# KiCad board IO-SDR_Rev_1.0.kicad_pcb (continued)
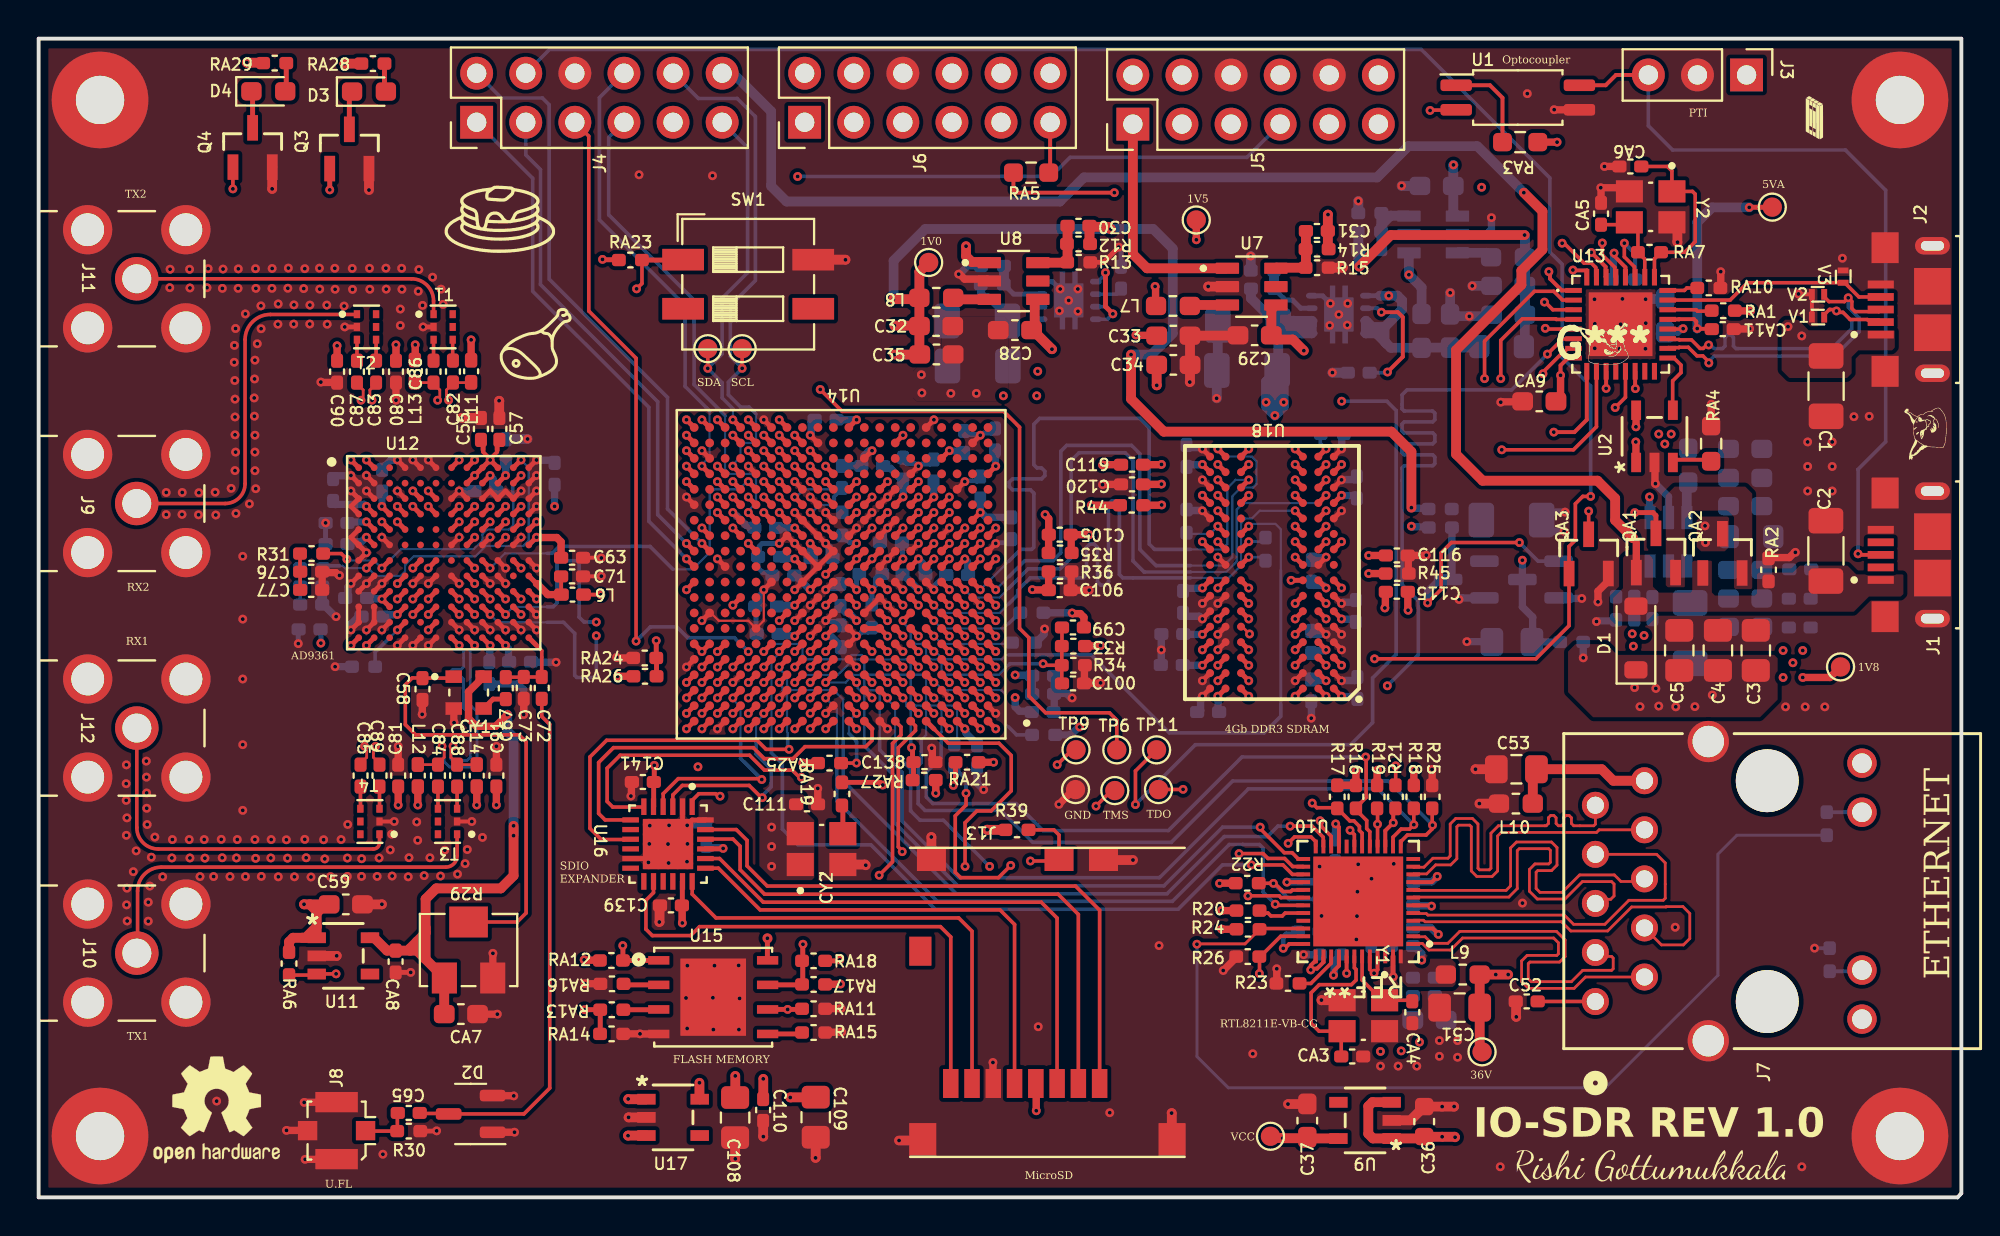
[diagram p0: board, top side]
## Routing (per net, layer and track width the routed paths; a pad name or vN(x,y) marks a point on that pad's centre or on a via; arc(x,y) is an arc through that point) (continued)
  Top.Cu w0.381: C90.2 15.42,42.19 14.61,42.19 v1(14.6,42.2) ; C100.2 54.1,26.63 ; 54.1,26.63 54.1,27.52 R34.2 ; 54.1,26.63 54.11,26.62 54.92,26.62 v1(54.93,26.63) ; J8.2 15.4,1.97 v1(13.79,1.97) ; R45.2 70.85,32.32 70.85,33.2 C116.2 71.77,33.23 v1(71.78,33.24) ; 53.64,21.11 53.54,21.11 v1(52.78,20.34) ; v1(30.64,20.77) 30.66,20.8 30.66,21.48 C141.2 ; v1(24.58,5.25) 24.57,5.26 23.49,5.26 D2.2 ; v1(15.56,32.19) 15.52,32.19 15.37,32.34 14.71,32.34 C76.1 C77.1 ; v1(25.09,24.99) 25.09,25 C73.2 ; J13.6 49.37,5.91 v1(49.37,6.98) ; v1(80.66,30.82) 80.66,31.38 81.2,31.91 QA3.2 ; 64.05,11.14 v1(64.05,11.83) ; 64.05,11.14 64.05,11.09 R23.1 ; 64.05,11.14 64.03,11.12 ; v1(41.51,9.78) 41.5,9.77 40.69,9.77 RA11.2 ; D2.1 23.48,3.37 24.62,3.37 v1(24.62,3.37) ; v1(47.59,47.79) 47.64,47.79 47.9,47.53 49.08,47.53 U8.2 ; C106.2 53.41,31.45 53.41,32.37 R36.2 ; C91.2 v1(23.68,23.35) ; RA4.2 86.52,39.93 86.52,41.05 v1(86.53,41.06) ; v1(21.49,24.57) 21.48,24.58 21.48,25.3 CY1.2 ; 53.39,31.43 v1(54.34,31.43) ; 19.85,25.74 19.85,25.73 19.85,25.01 v1(19.84,25) ; CA9.1 76.74,41.18 75.66,41.18 v1(75.63,41.16) ; R25.1 72.09,22.14 v1(72.08,22.15) ; v1(88.51,44.96) 88.5,44.95 87.69,44.95 CA11.1 ; RA15.2 40.7,8.55 41.53,8.55 v1(41.54,8.56) ; Y2.2 82.1,52.26 v1(80.81,52.26) 80.82,52.25 CA5.2 ; C138.2 46.35,22.53 46.23,22.65 46.23,23.22 v1(46.2,23.25) ; v1(40.3,21.17) 40.3,20.35 C111.2 ; v1(90.87,33.39) 90.83,33.39 90.56,33.12 89.49,33.12 ; U2.2 83.64,37.99 83.61,37.97 83.61,36.97 v1(83.64,36.94) ; C120.2 55.05,36.91 v1(55.03,36.89) ; R29.3 23.5,11.36 v1(23.5,12.63) ; U1.3 78.4,56.3 v1(78.4,56.3) ; RA10.2 87.01,47.09 v1(87.01,47.92) ; v1(13.73,4.92) 13.74,4.92 15.4,4.92 15.41,4.93 ; RA16.2 29.05,11.06 28.27,11.06 v1(28.27,11.06) ; RA14.2 v1(31.11,8.46) 31.11,8.46 32.08,8.46 U15.4 ; v1(29.9,27.95) 29.93,27.92 RA24.1 ; CA7.2 22.71,9.49 23.73,9.49 v1(23.73,9.48) ; R26.1 61.95,12.41 v1(61.28,11.74) ; v1(81,53.36) CA6.2 ; v1(18.48,41.26) C80.2 ; C81.2 v1(18.6,23.35) ; v1(12.82,3.47) 13.9,3.47 J8.2
  Top.Cu w0.508: v1(73.22,4.7) 73.22,4.7 v1(72.6,4.7) C36.2 70.97,3.99 69.99,3.99 ; C108.2 36.03,2 v1(36.04,1.99) ; v1(17.76,15.17) 17.75,15.17 C59.2 ; v1(64.63,4.83) 65.62,4.83 C37.2 ; v1(66.36,10.21) 66.37,10.2 Y1.2 ; v1(30.52,4.14) 30.52,4.14 U17.2 ; v1(42.79,17.19) 42.75,17.23 CY2.2 ; v1(60.5,47.15) 60.51,47.14 61.49,47.14 ; C55.2 22.87,40.35 v1(21.89,40.35) ; v1(12.08,52.2) 12.08,52.21 12.08,53.33 Q4.2 ; v1(23.82,41.24) 23.83,41.23 23.83,40.35 C57.2 ; v1(32.11,14.25) 32.12,14.26 32.12,15.09 C139.2 ; v1(46.18,18.65) 46.18,18.65 J13.S4 ; v1(59.55,42.2) 59.56,42.22 C34.2 C33.2 62.02,44.6 C29.2 ; R15.2 67.46,48.12 v1(67.47,48.13) ; v1(74.53,20.38) L10.1 ; v1(56.61,17.46) 55.09,17.46 J13.S3 ; U11.2 15.41,12.5 v1(15.42,12.5) ; v1(58.61,4.36) 58.62,4.35 58.62,3.01 J13.S1 ; C110.2 37.48,3.15 v1(37.49,3.14) ; v1(44.51,2.94) 45.68,2.94 J13.S2 ; v1(41.74,48.53) 41.73,48.54 40.07,48.54 SW1.4 ; C109.2 40.2,2.05 v1(40.19,2.04) ; v1(74.33,22.16) 74.33,22.16 C53.1 ; Y2.4 84.77,50.19 84.77,49.45 v1(84.78,49.44) ; 68.5,7.27 CA3.2 ; v1(17.09,52.14) Q3.2 ; C52.1 76.43,10.13 76.43,9.35 v1(76.44,9.34)
  Bottom.Cu w0.203: C27.2 60.95,42.85 61.18,43.08 ; 48.54,22.26 C123.2 ; v1(91.87,12.9) R27.2 ; v1(48.89,21.1) 48.88,21.1
  Bottom.Cu w0.254: C107.2 37.8,32.35 37.45,32.35 37.2,32.6 37.2,33.14 C95.2 37.28,33.16 ; C127.2 49.47,39.74 49.29,39.56 48.87,39.56 48.77,39.45 v1(48.71,39.45) 48.67,39.49 48.05,39.49 C117.2 ; C125.2 48.71,37.27 48.53,37.09 47.95,37.09 v1(47.91,37.05) ; C97.2 41.47,31.69 41.29,31.51 40.82,31.51 40.77,31.45 v1(40.71,31.45) ; v1(37.51,31.45) 37.51,31.4 37.31,31.19 37.31,30.78 37.13,30.59 C94.2 37.11,30.56 37.11,29.21 C102.2 ; v1(43.91,34.65) 43.91,34.6 43.76,34.45 43.76,34.08 43.58,33.9 C96.2 ; v1(66.82,46.27) 66.81,46.27 66.42,46.67 65.87,46.67 U5.4 ; C70.2 13.43,29.38 v1(13.43,28.66) ; C98.2 41.5,29.63 41.42,29.71 ; U6.4 51.89,47.4 52.44,47.4 52.82,47.02 v1(52.84,47.02) ; 41.42,29.71 41.31,29.81 40.75,29.81 v1(40.71,29.85) 40.75,29.89 ; 41.42,29.71 41.39,29.69 ; C129.2 46.89,32.22 46.35,31.68 46.35,31.49 v1(46.31,31.45) ; 44.72,38.22 44.72,38.17 44.91,37.98 45.32,37.98 45.46,37.85 v1(45.51,37.85) 45.57,37.85 45.67,37.96 46.11,37.96 46.3,38.14 C131.2 46.29,38.2 ; v1(49.51,33.85) 49.55,33.89 50.14,33.89 C121.2 ; v1(14.84,34.91) C60.2 ; v1(66.36,14.57) 66.32,14.52 66.32,13.8 C49.2 ; 37.28,33.16 37.44,33 ; 37.28,33.16 37.28,33.7 37.43,33.85 v1(38.31,33.85) ; v1(42.31,29.05) 42.37,29.05 42.57,29.26 42.9,29.26 43.1,29.45 R43.2 ; v1(46.31,40.25) 46.32,40.24 ; C22.2 55.99,48.99 55.87,49.1 v1(55.87,49.19)
  Bottom.Cu w0.381: 58.07,29.14 v1(58.07,28.34) 58.07,27.54 ; C92.2 36.9,34.78 36.6,34.78 35.93,35.45 v1(35.91,35.45) ; v1(47.59,47.79) 47.64,47.79 48.07,48.22 48.74,48.22 R11.2 ; v1(68.22,15.82) 68.27,15.82 68.86,15.23 69.85,15.23 C45.2 C46.2 ; C79.1 14.72,30.68 15.34,30.06 v1(15.39,30.06) ; v1(68.26,17.24) 68.22,17.21 68.22,17.13 67.46,16.37 C44.2 ; 52.53,26.09 53.16,26.09 53.39,25.85 v1(53.46,25.85) ; 52.53,26.09 52.53,25.12 52.57,25.08 ; 52.53,26.09 52.53,27.01 ; 68.19,26.92 68.19,26.87 68.07,26.76 67.41,26.76 v1(67.4,26.74) ; C48.2 67.07,17.34 66.95,17.22 66.89,17.22 66.83,17.16 66.3,17.16 v1(66.26,17.12) ; C62.2 15.88,31.03 16,31.15 16,31.6 16.15,31.75 v1(16.15,31.77) ; C140.2 34.5,19.29 33.58,19.29 v1(33.55,19.26) ; v1(40.71,33.85) 40.71,33.83 40.9,33.64 40.9,33.2 41.02,33.08 C104.2 41.13,33.08 ; C74.2 24.79,26.57 25.09,26.28 v1(25.09,24.99) ; 68.14,30.98 68.14,30.93 68.02,30.81 67.49,30.81 67.42,30.74 v1(67.4,30.74) ; v1(71.54,12.28) 71.54,12.62 71.15,13.01 C41.2 ; C75.2 25.49,27.7 v1(26.76,27.7) ; v1(73.48,30.95) 73.52,30.95 73.6,31.03 Q2.2 ; v1(80.59,29.81) 80.62,29.84 81.48,29.84 81.51,29.81 R7.2 ; v1(60.2,29.94) 60.18,29.94 60.04,30.08 59.32,30.08 59.2,30.2 C130.2 ; v1(66.6,29.14) 66.58,29.16 65.96,29.16 65.86,29.26 ; v1(67.4,38.74) 67.41,38.76 67.41,39.45 67.47,39.51 ; v1(52.04,29.43) 52,29.39 52,29.14 51.58,28.71 R38.2 ; v1(60.2,35.54) 60.18,35.56 59.36,35.56 59.33,35.59 ; v1(60.2,38.74) 60.18,38.74 60.11,38.81 59.45,38.81 59.33,38.93 59.33,38.99 ; 68.24,37.33 68.24,37.28 68.12,37.16 68.07,37.16 68.06,37.16 67.41,37.16 v1(67.4,37.14) ; 41.55,37.87 C103.2 42.55,37.86 C93.2 42.58,37.86 42.7,37.98 42.7,38.39 42.95,38.64 43.1,38.64 v1(43.11,38.65) ; v1(60.2,25.94) 60.2,25.92 60.11,25.83 60.11,25.2 59.99,25.08 59.93,25.08 ; 73.39,49.84 73.4,49.85 74.9,49.85 75.15,50.1 v1(75.15,50.71) ; v1(65.44,12.56) C40.2 ; v1(65.83,24.8) 65.84,24.82 65.84,25.72 65.83,25.73 65.86,25.76 ; v1(15.33,27.47) RA8.2 ; C69.2 22.54,36.57 21.76,36.57 v1(21.75,36.57) ; C9.2 75.16,28.77 v1(73.88,28.77) ; v1(25.75,38.17) 25.77,38.16 26.57,38.16 26.69,38.04 C54.2 ; 48.54,22.26 48.54,21.44 48.88,21.1 ; v1(66.6,33.14) 66.58,33.13 65.92,33.13 65.8,33.01 65.8,32.99 ; v1(70.1,17.26) 70.06,17.23 70.06,16.42 C42.2 69.86,16.45 69.04,16.45 69,16.49 v1(68.95,16.49) ; 68.95,14.17 68.95,14.23 68.83,14.35 68.46,14.35 68.24,14.56 v1(68.2,14.56) 67.66,14.56 67.44,14.78 67.44,15.4 C39.2 ; v1(16.15,37.37) 16.14,37.36 15.35,37.36 15.23,37.24 C66.2 ; C68.2 17.77,37.72 18.21,38.16 18.54,38.16 v1(18.55,38.17) ; 16.6,30.06 16.54,30.06 16.17,29.69 16.17,29.38 v1(16.15,29.37) ; v1(78.91,34.48) 78.22,34.48 77.75,34.95 77.75,35 78.22,35.47 v1(78.96,35.47) ; v1(39.91,39.45) 39.91,39.47 39.97,39.53 39.97,40.13 40.09,40.25 C112.2 ; v1(79.83,31) 78.66,31 Q1.2 ; U4.2 84.31,36.27 v1(83.64,36.94) ; v1(20.15,28.57) 20.17,28.57
  Bottom.Cu w0.508: v1(73.02,46.83) 73.01,46.82 73.01,45.72 C13.2 73.13,45.71 73.23,45.62 74,45.62 v1(74.01,45.61) 74.02,45.62 75.08,45.62 C12.2 ; C11.2 75.15,47.18 v1(74.16,47.18) ; 84.14,46.52 84.13,46.5 83.14,46.5 v1(83.13,46.49) ; 72.8,9.15 72.79,9.16 C50.2 ; C23.2 61,43.26 61.18,43.08 ; C56.2 24.19,39.26 v1(25.29,39.26) ; C24.2 66.93,42.69 v1(66.93,42.69) ; v1(62.7,48.72) 62.71,48.71 R9.2 ; C27.2 60.95,41.37 v1(60.94,41.36) ; C79.1 C78.1 ; v1(68.27,51.57) 68.26,51.57 R5.2 ; C6.2 70.52,52.35 v1(70.51,52.36)
  vias: v1(4.54,22.39) v1(4.53,21.41) v1(4.53,20.55) v1(4.57,19.65) v1(4.54,18.74) v1(4.57,16.01) v1(4.55,15.14) v1(4.58,14.31) v1(4.9,16.86) v1(5.04,17.94) v1(5.57,22.58) v1(5.58,21.75) v1(5.59,20.93) v1(5.59,20.14) v1(5.61,19.3) v1(5.67,15.28) v1(5.67,14.3) v1(5.75,16.11) v1(5.83,17.61) v1(6.01,18.65) v1(6.42,16.59) v1(6.6,36.49) v1(6.6,35.34) v1(6.8,48.04) v1(6.78,47.09) v1(6.89,17.57) v1(6.92,18.52) v1(7.43,36.49) v1(7.41,35.35) v1(7.79,18.52) v1(7.81,48.04) v1(7.83,47.07) v1(7.83,17.57) v1(8.29,36.48) v1(8.27,35.33) v1(8.35,16.6) v1(8.56,18.52) v1(8.6,17.56) v1(8.71,47.09) v1(8.77,48.07) v1(9.05,16.61) v1(9.13,36.5) v1(9.16,35.32) v1(9.21,4.98) v1(9.5,47.05) v1(9.44,18.53) v1(9.49,17.58) v1(9.54,48.05) v1(9.9,16.6) v1(9.96,36.7) v1(10.19,44.98) v1(10.13,44.1) v1(10.12,43.23) v1(10.15,42.28) v1(10.16,41.32) v1(10.16,40.4) v1(10.16,39.47) v1(10.19,38.58) v1(10.16,37.62) v1(10.21,35.4) v1(10.27,18.52) v1(10.23,17.57) v1(10.33,48.06) v1(10.32,47.05) v1(10.56,33.18) v1(10.56,29.93) v1(10.56,26.83) v1(10.56,23.43) v1(10.56,20.03) v1(10.69,45.73) v1(10.7,16.6) v1(10.9,35.9) v1(11.19,43.34) v1(11.17,42.36) v1(11.15,41.38) v1(11.16,40.44) v1(11.19,39.45) v1(11.19,38.58) v1(11.19,37.61) v1(11.19,18.52) v1(11.22,48.07) v1(11.24,47.05) v1(11.23,36.68) v1(11.22,17.55) v1(11.31,44.18) v1(11.5,46.15) v1(11.51,44.96) v1(11.52,16.61) v1(12.08,48.08) v1(12.07,47.05) v1(12.03,18.52) v1(12.01,17.57) v1(12.39,46.25) v1(12.38,45.2) v1(12.4,16.59) v1(12.89,47.06) v1(12.81,18.51) v1(12.87,17.56) v1(12.92,48.1) v1(13.21,46.2) v1(13.19,45.2) v1(13.23,16.59) v1(13.77,48.07) v1(13.71,47.04) v1(13.77,18.53) v1(13.84,17.58) v1(14.03,46.19) v1(14.02,45.21) v1(14.09,16.58) v1(14.52,48.1) v1(14.54,47.01) v1(14.74,18.51) v1(14.8,17.52) v1(14.91,46.19) v1(14.92,45.2) v1(15.1,16.6) v1(15.32,48.09) v1(15.33,47.01) v1(15.64,18.52) v1(15.8,46.14) v1(15.99,19.3) v1(15.97,17.56) v1(15.97,16.61) v1(16.22,48.09) v1(16.24,47) v1(16.7,16.61) v1(16.71,17.53) v1(17.11,48.09) v1(17.13,47.01) v1(17.51,16.61) v1(17.61,17.57) v1(17.81,2.23) v1(17.96,48.1) v1(17.98,47.01) v1(18.19,17.99) v1(18.26,18.8) v1(18.28,16.63) v1(18.78,48.09) v1(18.79,47.01) v1(18.71,45.98) v1(18.71,45.13) v1(19.16,17.58) v1(19.12,16.59) v1(19.56,19.43) v1(19.61,18.48) v1(19.67,48.03) v1(19.64,46.9) v1(19.86,46.17) v1(19.94,16.65) v1(20.24,17.58) v1(20.38,47.63) v1(20.79,16.63) v1(20.82,47.01) v1(20.92,46.23) v1(21.01,17.97) v1(21.67,16.73) v1(22.06,17.28) v1(22.17,18) v1(22.96,18.63) v1(31.06,52.93) v1(31.59,18.3) v1(31.61,19.24) v1(32.56,18.29) v1(32.59,17.31) v1(32.61,19.26) v1(33.49,10.32) v1(33.56,18.3) v1(33.54,17.38) v1(33.56,11.99) v1(33.55,8.74) v1(34.86,52.88) v1(34.9,8.68) v1(34.96,11.99) v1(36.21,12.01) v1(36.26,10.3) v1(36.22,8.68) v1(45.66,42.58) v1(45.69,41.64) v1(47.19,41.62) v1(48.51,41.62) v1(51.71,8.83) v1(52.8,45.89) v1(53.28,46.43) v1(53.76,47.02) v1(53.76,45.87) v1(55.41,4.38) v1(57.96,13.03) v1(62.81,7.43) v1(66.79,45.14) v1(67.26,45.7) v1(67.69,45.15) v1(67.72,46.27) v1(68.16,13.35) v1(69.41,6.79) v1(70.07,11.42) v1(70.33,6.79) v1(71.29,6.79) v1(72.46,8.12) v1(72.46,7.3) v1(73.4,8.12) v1(73.4,7.25) v1(75.61,1.58) v1(76.76,15.23) v1(77.01,57.13) v1(80.48,46.49) v1(80.5,45.22) v1(80.5,43.95) v1(81.78,43.93) v1(81.83,45.2) v1(81.93,46.51) v1(83.14,45.25) v1(83.12,43.93) v1(84.66,13.98) v1(90.37,25.39) v1(91.21,1.58) v1(91.38,25.39) v1(91.51,39.1) v1(91.51,37.83) v1(91.51,36.56) v1(92.4,25.39) v1(92.78,39.1) v1(92.78,37.83) v1(92.78,36.56) v1(93.31,48.61) v1(93.9,40.41) v1(94.69,40.43)
VCC: length 15.6
  Top.Cu w0.203: U10.45 69.26,11.78 v1(69.08,11.6) ; v1(67.66,11.6) U10.41 ; U10.6 72.01,15.12 v1(72.05,15.08) ; U10.38 66.46,12.17 66.13,11.84 65.87,11.84 v1(65.8,11.77) 65.8,12 66.02,12.22 66.06,12.22 U10.37 ; 68.86,11.79 U10.44
  Top.Cu w0.381: v1(61.09,16.25) 61.1,16.26 R22.2 ; R20.1 61.21,14.84 v1(61.2,14.85) ; v1(68.17,22.1) 68.14,22.08 R16.1 R17.1 ; R24.1 61.2,13.88 v1(61.2,13.88) ; R19.1 69.24,22.09 v1(69.26,22.11) ; R18.1 71.14,22.1 v1(71.16,22.12)
  Top.Cu w0.508: 67.24,3.05 65.69,3.05 C37.1 65.58,3.06 v1(64.36,3.06) 64.35,3.07 63.75,3.07
  Bottom.Cu w0.381: v1(72.05,15.08) 72.03,15.09 71.12,15.09 C45.1
  Bottom.Cu w0.508: C50.1 71.09,9.19
  vias: v1(69.41,7.55) v1(70.48,7.58) v1(71.43,8.04)
VDDA1P1_RX_VCO: length 17.3
  Top.Cu w0.254: v1(16.95,32.57) U12.G2 ; U12.A11 v1(24.95,38.17)
  Bottom.Cu w0.113: v1(24.95,38.17) 25.35,37.77 25.35,34 25.07,33.72 23.13,33.72 22.6,33.19 19.41,33.19 18.95,32.73 18.95,32.41 18.72,32.17 17.44,32.17 17.04,32.57 v1(16.95,32.57) 15.84,32.57 15.73,32.69 15.56,32.69
  Bottom.Cu w0.203: 15.56,32.69 14.84,32.69 14.72,32.57
+12L: length 30.9
  Top.Cu w0.254: v1(16.95,34.97) U12.E2 ; 18.15,30.57 v1(17.75,30.97) 18.15,31.37 ; U12.B9 v1(23.35,37.37) ; U12.B10 v1(24.15,37.37) ; v1(16.95,34.17) U12.F2
  Bottom.Cu w0.254: v1(14.6,28.69) 14.6,29.38 C70.1
  Bottom.Cu w0.381: C60.1 16.1,33.94 16.7,33.94 16.93,34.17 v1(16.95,34.17) ; 26.66,36.86 C54.1 v1(26.69,35.77) ; v1(17.75,30.97) 17.74,30.98 17.04,30.98 C62.1 ; v1(24.15,37.37) 24.16,37.38 24.16,38.09 C56.1 ; v1(23.35,37.37) 23.35,37.35 23.5,37.21 23.5,36.68 23.62,36.56 C69.1 ; v1(16.95,34.97) 16.94,34.96 16.02,34.96 C64.1
  Bottom.Cu w0.508: 65.37,44.91 65.15,45.13 C23.1 ; 65.37,44.91 64.91,45.37 ; 65.37,44.91 65.61,44.91 65.86,45.16 ; 65.37,44.91 65.37,44.72 ; v1(63.95,40.48) 63.49,40.93 v1(63.49,41.16) ; v1(63.95,40.48) 64.41,40.93 v1(64.41,41.16) ; v1(63.95,40.48) 63.95,40.67 ; C27.1 63.49,42.23 v1(63.49,41.16) ; C27.1 64.41,42.47 v1(64.41,41.16) ; C27.1 64.12,42.85 C23.1 ; C27.1 63.95,42.68 63.95,40.67 ; C27.1 63.66,42.4 ; 63.95,40.67 64.41,41.13 v1(64.41,41.16) ; 65.37,44.72 U5.1 65.86,45.16 ; 65.37,44.72 64.53,44.72 C23.1 ; 64.91,45.37 64.36,45.37 C23.1 ; 64.91,45.37 U5.2 65.86,45.16 ; C23.1 62.71,46.54 R8.1 ; v1(63.49,41.16) 63.5,41.15
+VSW: length 3
  Top.Cu w0.203: 27.03,31.21 C71.1
  Top.Cu w0.254: 25.35,32.17 25.75,31.77
  Top.Cu w0.381: 25.75,31.77 25.77,31.77 26.34,31.2 27.04,31.2 L6.2
/AD9361/REFCLK: length 4.7
  Top.Cu w0.186: U13.26 83.08,48.57 RA7.1 82.73,50.03 Y2.3 82.16,50.35 CA5.1
/AD9361/RX1A_N: length 10.4
  Top.Cu w0.142: C85.1 16.65,22.46 16.97,22.78 16.97,23.12
  Top.Cu w0.254: v1(16.95,28.57) U12.M2
  In5_Sig2.Cu w0.113: v1(16.95,28.57) 16.95,28.56 16.73,28.33 16.73,27.21 15.81,26.29 15.81,24.93 15.93,24.82 16.11,24.82 16.22,24.7 16.22,24.54 16.11,24.42 15.93,24.42 15.81,24.3 15.81,24.14 15.93,24.02 16.11,24.02 16.22,23.9 16.22,23.75 16.11,23.63 15.93,23.63 15.81,23.51 15.81,23.04 16.05,22.8 16.89,22.8 16.97,22.88 16.97,23.15 16.86,23.27 v1(16.86,23.35)
/AD9361/RX1A_P: length 10.4
  Top.Cu w0.142: C89.1 17.63,22.46 17.31,22.78 17.31,23.16
  Top.Cu w0.254: v1(16.15,28.57) 16.55,28.97
  In5_Sig2.Cu w0.113: v1(16.15,28.57) 16.15,28.56 16.38,28.33 16.38,27.35 15.46,26.43 15.46,22.89 15.9,22.45 17.03,22.45 17.31,22.74 17.31,23.15 17.43,23.27 v1(17.43,23.35)
/AD9361/RX2A_N: length 8.7
  Top.Cu w0.142: C83.1 17.46,42.12 17.13,41.79 17.13,41.46
  Top.Cu w0.254: v1(16.15,38.17) 16.55,37.77
  In5_Sig2.Cu w0.113: v1(16.15,38.17) 16.15,38.23 16.34,38.41 16.34,38.7 15.19,39.84 15.19,41.96 15.48,42.24 16.96,42.24 17.25,41.96 v1(17.25,41.26)
/AD9361/RX2A_P: length 8.7
  Top.Cu w0.142: C87.1 16.47,42.12 16.79,41.79 16.79,41.46
  Top.Cu w0.254: v1(16.95,38.17) U12.A2
  In5_Sig2.Cu w0.113: v1(16.95,38.17) 16.92,38.17 16.68,38.41 16.68,38.84 15.54,39.98 15.54,40.82 15.62,40.91 16.04,40.91 16.12,40.99 16.12,41.23 16.04,41.31 15.66,41.31 15.54,41.44 15.54,41.81 15.62,41.9 16.82,41.9 16.9,41.81 16.9,41.57 16.68,41.35 v1(16.68,41.26)
/AD9361/SUP: length 27.6
  Top.Cu w0.186: 26.02,25.8 26.02,24.9 26.44,24.48 26.44,5.65 25.1,4.32 D2.3 21.18,4.34 19.74,4.34 C65.1
/AD9361/TX1A_N: length 11.5
  Top.Cu w0.142: 20.98,23.16 20.98,22.78 20.66,22.46 C84.1 19.62,22.4 L12.1
  Top.Cu w0.254: 22.15,28.97 v1(22.55,28.57)
  Bottom.Cu w0.142: v1(20.87,23.36) 20.87,23.27 20.98,23.16 20.98,22.56 21.26,22.27 22.31,22.27 22.68,22.64 22.68,25.13 22.33,25.48 22.33,28.33 22.55,28.56 v1(22.55,28.57)
/AD9361/TX1A_P: length 11.4
  Top.Cu w0.142: 21.32,23.16 21.32,22.78 21.65,22.46 C88.1 22.66,22.4 L14.1
  Top.Cu w0.254: 21.35,28.97 v1(21.75,28.57)
  Bottom.Cu w0.142: v1(21.75,28.57) 21.75,28.56 21.98,28.33 21.98,27.46 21.86,27.34 21.43,27.34 21.31,27.22 21.31,27.06 21.43,26.94 21.86,26.94 21.98,26.83 21.98,25.34 22.33,24.99 22.33,22.78 22.17,22.62 21.41,22.62 21.32,22.7 21.32,23.16 21.44,23.27 v1(21.44,23.36)
/AD9361/TX2A_N: length 9.3
  Top.Cu w0.142: L11.1 22.36,42.17 21.42,42.17 21.42,42.17 21.42,42.12 21.1,41.79 21.1,41.46
  Top.Cu w0.254: 21.35,37.77 v1(21.75,38.17)
  In5_Sig2.Cu w0.113: v1(21.75,38.17) 21.75,38.18 21.98,38.41 21.98,38.87 22.68,39.57 22.68,41.62 22.52,41.77 22.24,41.77 22.17,41.69 22.17,41.22 22.08,41.14 21.82,41.14 21.74,41.22 21.74,41.64 21.61,41.77 21.27,41.77 21.1,41.59 21.1,41.46 21.21,41.35 v1(21.21,41.26)
/AD9361/TX2A_P: length 9.4
  Top.Cu w0.142: 20.75,41.46 20.75,41.79 20.43,42.12 20.43,42.17 C86.1 19.49,42.17 19.47,42.19
  Top.Cu w0.254: 22.15,37.77 v1(22.55,38.17)
  In5_Sig2.Cu w0.113: v1(22.55,38.17) 22.55,38.18 22.33,38.41 22.33,38.73 23.02,39.42 23.02,41.76 22.67,42.12 21.13,42.12 20.75,41.74 20.75,41.46 20.64,41.35 v1(20.64,41.26)
/AD9361/UB1: length 16.7
  Top.Cu w0.186: T1.1 20.43,46.4 arc(20.09,47.21) 19.28,47.55 J11.1
/AD9361/UB2: length 20.2
  Top.Cu w0.186: J9.1 9.65,35.92 arc(10.38,36.22) 10.68,36.94 10.68,44.39 arc(11.06,45.32) 11.99,45.7 16.45,45.7 arc(16.46,45.71) T2.1
/AD9361/UB3: length 21.9
  Top.Cu w0.186: T3.1 21.65,17.68 arc(21.47,17.27) 21.06,17.09 6.35,17.09 arc(5.48,16.73) 5.12,15.86 5.12,12.68 arc(5.11,12.65) J10.1
/AD9361/UB4: length 19
  Top.Cu w0.186: J12.1 5.08,19.14 arc(5.4,18.36) 6.19,18.03 17.32,18.03 arc(17.54,18.12) 17.63,18.35 T4.1
/AD9361/XO: length 9.9
  Top.Cu w0.186: CA6.1 84.26,53.36 84.49,53.14 Y2.1 85.55,52.07 85.69,51.93 85.69,49.47 85.15,48.92 RA7.2 83.59,48.58 U13.25
/AD9361/XT1: length 4.2
  Top.Cu w0.186: 24.16,26.93 25.08,26.93 C73.1 26.02,26.94 26.02,28.3 25.75,28.57
  Top.Cu w0.254: 25.35,28.97 25.75,28.57
/ETHERNET/LED0_AD0: length 54
  Top.Cu w0.152: v1(59.92,13.1) 59.94,13.12 62.41,13.12 63.15,13.87 R24.2
  Top.Cu w0.186: U10.34 63.19,13.92 R24.2
  Bottom.Cu w0.152: v1(59.92,13.1) 59.92,7.29 61.54,5.67 81.05,5.67 86.87,11.49 86.87,17.76 87.85,18.75 R28.2
/ETHERNET/LED1_AD1: length 39.6
  Top.Cu w0.186: v1(63.15,11.58) 63.15,11.59 63.15,12.42 64.25,13.52 U10.35
  In5_Sig2.Cu w0.113: v1(63.15,11.58) 63.15,10.44 64.31,9.28 74.39,9.28 78.38,5.3 90.39,5.3 J7.11
/ETHERNET/LED2_RXDLY: length 2.4
  Top.Cu w0.186: R20.2 63.28,14.72 63.59,14.72 63.74,14.57 64.33,14.57 64.48,14.72 U10.32
/ETHERNET/MAC_MDC: length 75.5
  Top.Cu w0.186: U10.30 64.26,15.52 64.17,15.61 62.56,15.61 v1(62.56,15.6)
  Top.Cu w0.203: v1(55.64,52.01) 50.56,52.01 50.42,52.15 RA5.1
  In2_Sig1.Cu w0.113: v1(74.64,52.29) 72.54,52.29 71.52,53.3 66.72,53.3 65.42,52.01 v1(55.64,52.01)
  In5_Sig2.Cu w0.113: v1(74.64,52.29) 72.38,50.03 72.38,40.83 72.87,40.35 72.87,21.6 71.49,20.23 69.03,20.23 68.55,19.75 68.55,18.58 67.18,17.21 67.18,16.68 65.09,14.59 63.57,14.59 v1(62.56,15.6)
/ETHERNET/MDI0_N: length 18.5
  Top.Cu w0.142: U10.2 71.13,13.49 71.72,13.49 72.06,13.15 72.9,13.15 73.52,13.77 78.51,13.77 78.96,13.32 78.96,12.47 78.68,12.18 77.14,12.18 77.06,12.1 77.06,11.32 77.21,11.16 79.29,11.16 79.87,11.75 81.37,11.75 81.45,11.83 81.45,12.39 81.37,12.47 80.74,12.47 J7.3
/ETHERNET/MDI0_P: length 18.5
  Top.Cu w0.142: U10.1 71.13,13.14 71.58,13.14 71.92,12.8 73.04,12.8 73.66,13.42 78.37,13.42 78.62,13.18 78.62,12.61 78.53,12.52 77,12.52 76.71,12.24 76.71,11.17 77.07,10.82 79.43,10.82 80.02,11.41 J7.2
/ETHERNET/MDI1_N: length 19.5
  Top.Cu w0.142: J7.7 83.7,17.76 84.14,17.31 84.14,15.48 84.04,15.38 82.26,15.38 81.02,14.14 79.4,14.14 78.92,14.61 71.86,14.61 71.78,14.69 71.13,14.69 U10.5
/ETHERNET/MDI1_P: length 19.4
  Top.Cu w0.142: U10.4 71.13,14.34 71.64,14.34 71.72,14.27 78.78,14.27 79.26,13.79 81.16,13.79 82.4,15.03 84.18,15.03 84.2,15.05 85.06,15.05 85.41,14.69 85.41,13.4 85.08,13.07 83.95,13.07 J7.4
/ETHERNET/MDI2_N: length 19
  Top.Cu w0.142: J7.6 82.93,16.35 81.85,16.35 81.51,16.69 79.71,16.69 78.81,15.79 77.66,15.79 77.46,15.99 77.46,16.83 77.55,16.91 78.26,16.91 78.55,17.2 78.55,18.11 78.26,18.39 76.45,18.39 76.14,18.09 76.14,16.12 75.91,15.89 71.13,15.89 U10.8
/ETHERNET/MDI2_P: length 19
  Top.Cu w0.142: J7.5 80.74,15.43 81.32,15.43 81.49,15.6 81.49,16.22 81.37,16.35 79.86,16.35 78.95,15.44 77.52,15.44 77.12,15.85 77.12,16.97 77.4,17.26 78.12,17.26 78.2,17.34 78.2,17.96 78.12,18.05 76.59,18.05 76.49,17.95 76.49,15.98 76.05,15.54 71.13,15.54 U10.7
/ETHERNET/MDI3_N: length 18.5
  Top.Cu w0.142: J7.9 80.53,19.32 80.45,19.23 79.41,19.23 79.29,19.35 79.29,19.65 79.17,19.77 79.01,19.77 78.89,19.65 78.89,19.35 78.78,19.23 78.62,19.23 78.5,19.35 78.5,19.65 78.38,19.77 78.22,19.77 78.1,19.65 78.1,19.35 77.98,19.23 75.51,19.23 75.13,18.85 75.13,17.04 75.04,16.95 74.54,16.95 74.46,17.04 74.46,19.33 74.17,19.61 73.3,19.61 73.02,19.33 73.02,17.67 72.9,17.55 72.12,17.55 71.66,17.09 71.13,17.09 U10.11
/ETHERNET/MDI3_P: length 18.5
  Top.Cu w0.142: U10.10 71.13,16.74 71.8,16.74 72.27,17.21 73.04,17.21 73.36,17.53 73.36,19.18 73.45,19.27 74.03,19.27 74.11,19.18 74.11,16.89 74.4,16.61 75.19,16.61 75.47,16.89 75.47,18.71 75.65,18.89 80.59,18.89 80.73,19.03 J7.8
/ETHERNET/RGMI_YE-: length 1.8
  Bottom.Cu w0.203: R28.1 94.32,19.94
  Bottom.Cu w0.508: 94.32,19.94 J7.13
/ETHERNET/RGMII_GR-: length 1.7
  Bottom.Cu w0.203: R27.1 94.26,11.71
  Bottom.Cu w0.508: 94.26,11.71 J7.12
/ETHERNET/XTAL_IN: length 8.5
  Top.Cu w0.186: 67.38,7.29 67.38,8.56 Y1.3 66.23,8.6 65.82,9.01 65.82,10.59 66.25,11.01 67.91,11.01 68.15,11.25 68.15,11.8 68.06,11.88 U10.42
/ETHERNET/XTAL_OUT: length 4.3
  Top.Cu w0.186: U10.43 68.46,11.24 69.5,10.2 71,10.2 CA4.1
/POWER/TPP: length 33.2
  Top.Cu w0.254: v1(55.19,47.87) 55.19,46.11 v1(55.57,45.73)
  In2_Sig1.Cu w0.113: v1(69.84,46.67) 69.79,46.67 69.1,47.36 66.39,47.36 65.88,47.87 v1(55.19,47.87)
  Bottom.Cu w0.186: v1(55.19,47.87) 55.19,47.8 54.8,47.4 U6.5 ; U6.7 55.2,46.1 v1(55.57,45.73) 55.29,45.45 U6.8
  Bottom.Cu w0.254: U5.5 69.4,46.67
  Bottom.Cu w0.508: 70.29,46.67 v1(69.84,46.67) 69.4,46.67 ; 70.29,46.67 70.29,46.63 70.53,46.39 ; 70.29,46.67 70.53,46.43 70.53,46.39 ; 70.53,46.39 70.53,45.95 69.63,45.05 ; 69.63,45.05 69.63,44.29 69.73,44.19 ; 69.63,45.05 68.98,45.05 U5.7 U5.8 69.2,44.72 69.73,44.19 ; 69.73,44.19 69.95,43.98 L2.2 71.55,43.99 74.48,43.99 L3.2
/XC7Z010/CMDB0: length 28
  Top.Cu w0.186: J13.3 52.68,14.46 51.86,15.28 37.48,15.28 35.22,17.54 U16.20
/XC7Z010/CMDB1: length 25.4
  Top.Cu w0.186: J13.5 50.48,14.13 49.73,14.88 37.32,14.88 35.16,17.04 U16.19
/XC7Z010/DAT0: length 23.8
  Top.Cu w0.186: J13.7 48.28,13.78 47.6,14.46 35.04,14.46 33.81,15.69 U16.18
/XC7Z010/DAT1: length 26.5
  Top.Cu w0.186: U16.14 31.81,15.77 31.41,15.38 31.41,13.88 31.74,13.55 33.73,13.55 34.19,14.01 46.65,14.01 47.18,13.48 J13.8
/XC7Z010/DAT2: length 31.9
  Top.Cu w0.186: U16.23 36.09,19.04 36.65,18.48 36.65,17.16 37.69,16.11 53.64,16.11 54.88,14.87 J13.1
/XC7Z010/DAT3: length 30.4
  Top.Cu w0.186: U16.22 34.5,18.55 35.92,18.55 36.29,18.18 36.29,16.96 37.55,15.69 52.74,15.69 53.78,14.65 J13.2
/XC7Z010/DDR-CK_N: length 34
  Top.Cu w0.254: U14.M2 v1(48.71,33.85) ; U18.K7 v1(62.6,33.94)
  In5_Sig2.Cu w0.113: v1(48.71,33.85) 48.71,33.77 49.11,33.37 49.11,32.63 49.37,32.37 49.65,32.37 50.33,33.05 52.45,33.05 52.53,33.13 52.53,35.76 52.82,36.05 53.6,36.05 53.89,35.76 53.89,33.18 54.02,33.05 54.83,33.05 54.92,33.13 54.92,35.53 55.2,35.82 55.89,35.82 56.18,35.53 56.18,32.81 56.26,32.73 56.78,32.73 56.86,32.81 56.86,35 57.15,35.28 57.9,35.28 58.23,34.95 58.23,32.81 58.31,32.73 59.77,32.73 59.78,32.71 61.29,32.71 61.4,32.82 61.4,33.69 61.65,33.94 v1(62.6,33.94)
  Bottom.Cu w0.142: 63.44,34.16 63.22,33.94 62.6,33.94 v1(62.6,33.94)
/XC7Z010/DDR-CK_P: length 33.9
  Top.Cu w0.254: U18.J7 v1(62.6,33.14) ; U14.L2 v1(48.71,33.05)
  In5_Sig2.Cu w0.113: v1(48.71,33.05) 48.77,32.99 48.77,32.48 49.23,32.03 49.79,32.03 50.47,32.7 52.59,32.7 52.88,32.99 52.88,35.62 52.96,35.7 53.46,35.7 53.54,35.62 53.54,33.04 53.87,32.7 54.98,32.7 55.26,32.99 55.26,35.39 55.35,35.47 55.75,35.47 55.83,35.39 55.83,32.67 56.12,32.38 56.92,32.38 57.21,32.67 57.21,34.85 57.29,34.94 57.75,34.94 57.88,34.81 57.88,32.67 58.17,32.38 59.77,32.38 59.78,32.4 61.42,32.4 61.71,32.69 61.71,33.56 61.78,33.62 62.35,33.62 62.53,33.44 62.53,33.21 v1(62.6,33.14)
  Bottom.Cu w0.142: 63.44,32.97 63.27,33.14 v1(62.6,33.14)
